# KiCad board hvd-68-vhdci-panel.kicad_pcb (continued)
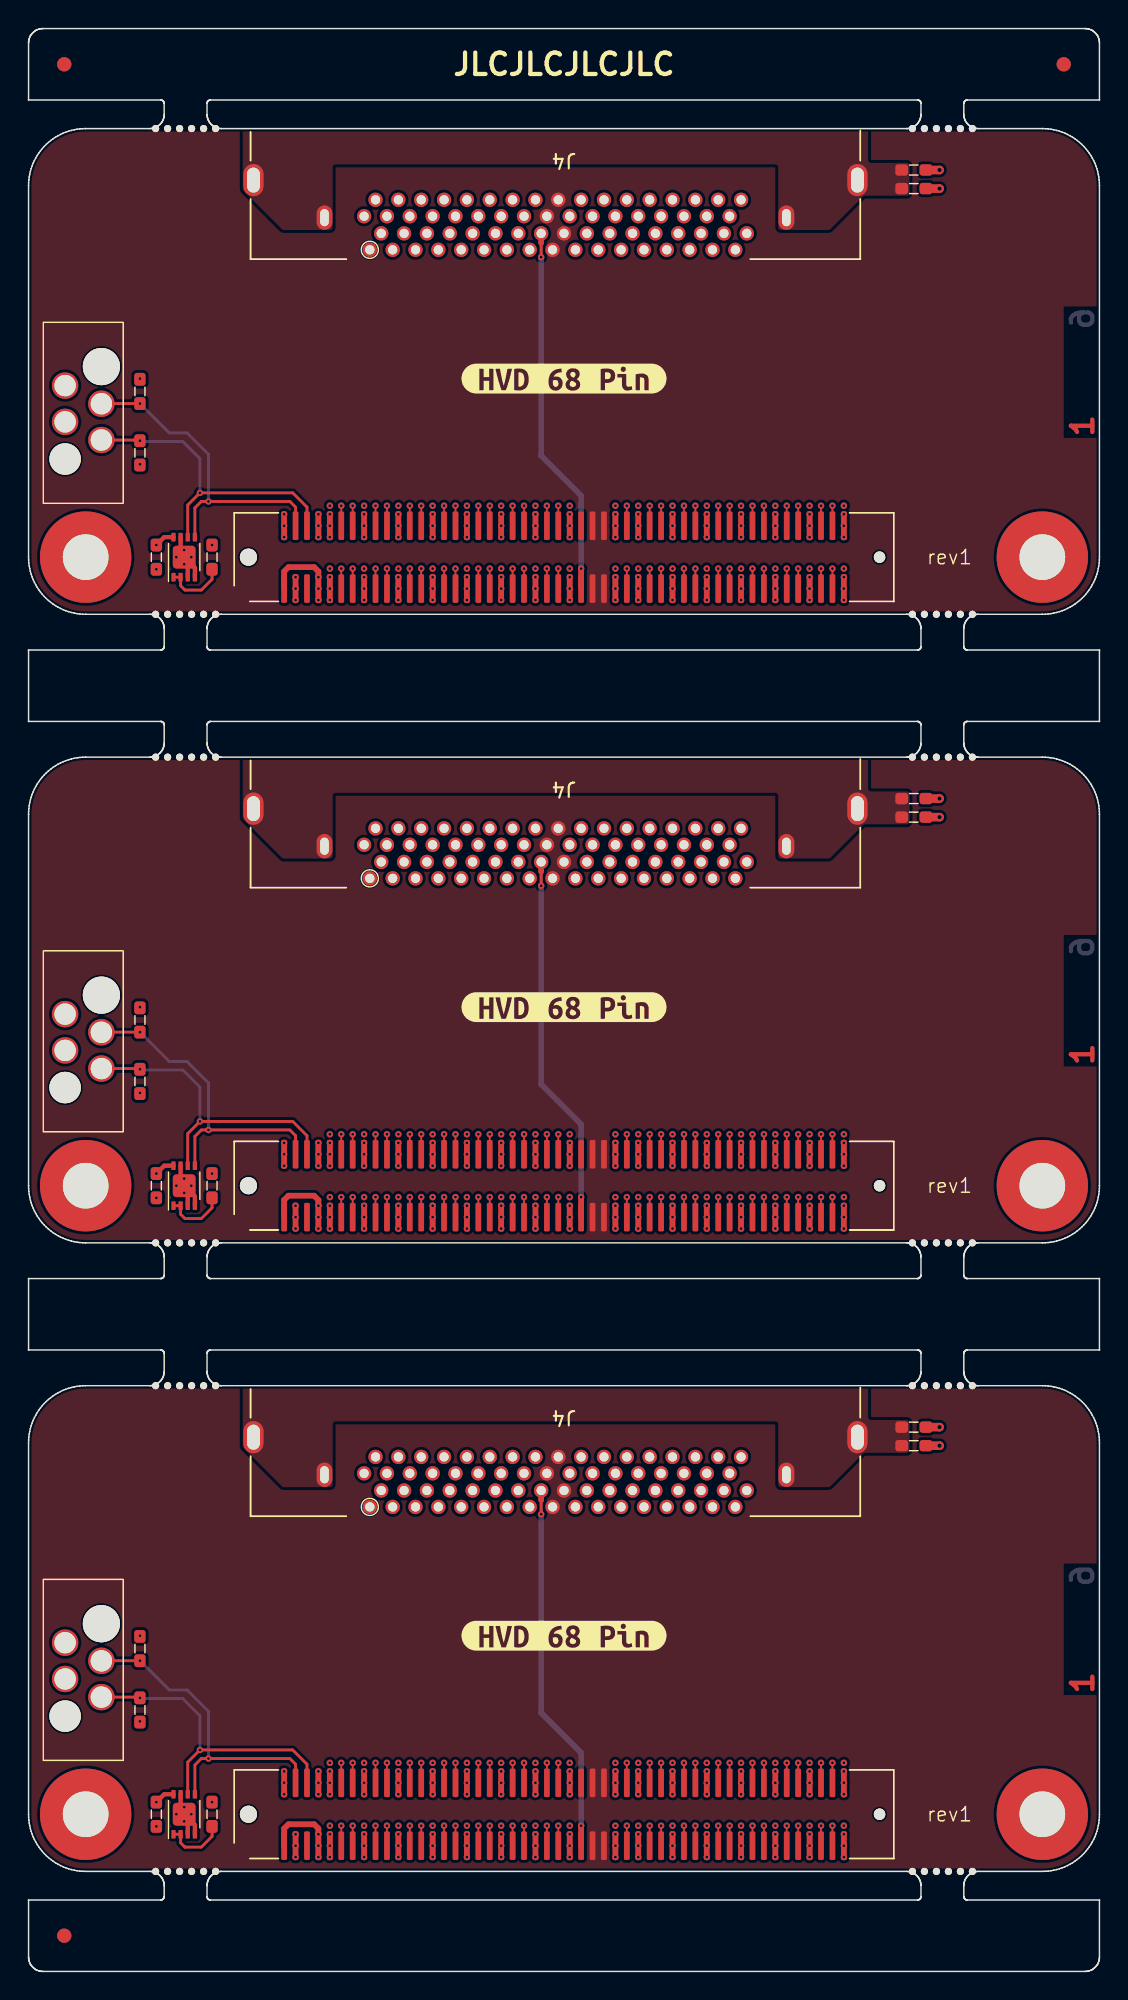
[diagram p0: board, top side]
## Routing (per net, layer and track width the routed paths; a pad name or vN(x,y) marks a point on that pad's centre or on a via; arc(x,y) is an arc through that point) (continued)
Board_1-Net-(U1-E0): length 4.4
  Top w0.2: U1#2.1 U1#2.2 10.65,53 10.95,52.7 12.1,52.7 12.85,53.45 R1.1
Board_2-+3V3: length 1.4
  Top w0.3: v1(8.95,11.85) 9.5,12.4 U1.8
  vias: v1(7.8,23.5) v1(7.8,17.5) v1(12.85,11.85) v1(18.7,9.6) v1(18.7,8.8) v1(18.7,8)
Board_2-/CON.ACK+: length 29.6
  Top w0.128: J1#3.67 v1(44.3,10.2)
  In3.Cu w0.128: J4.23 40.9,31.92 40.9,30.28 arc(40.97,30.11) 41.14,30.04 41.15,30.04 arc(41.32,29.97) 41.39,29.8 41.39,29.68 arc(41.32,29.51) 41.15,29.44 41.14,29.44 arc(40.97,29.37) 40.9,29.2 40.9,29.08 arc(40.97,28.91) 41.14,28.84 41.15,28.84 arc(41.32,28.77) 41.39,28.6 41.39,28.48 arc(41.32,28.31) 41.15,28.24 41.14,28.24 arc(40.97,28.17) 40.9,28 40.9,27.84 arc(40.96,27.69) 41.12,27.62 arc(41.27,27.56) 41.34,27.4 41.34,27.24 arc(41.27,27.09) 41.12,27.02 arc(40.96,26.96) 40.9,26.8 40.9,26.64 arc(40.96,26.49) 41.12,26.42 arc(41.27,26.36) 41.34,26.2 41.34,26.04 arc(41.27,25.89) 41.12,25.82 arc(40.96,25.76) 40.9,25.6 40.9,25.44 arc(40.96,25.29) 41.12,25.22 arc(41.27,25.16) 41.34,25 41.34,24.84 arc(41.27,24.69) 41.12,24.62 arc(40.96,24.56) 40.9,24.4 40.9,24.24 arc(40.96,24.09) 41.12,24.02 arc(41.27,23.96) 41.34,23.8 41.34,23.64 arc(41.27,23.49) 41.12,23.42 arc(40.96,23.36) 40.9,23.2 40.9,23.04 arc(40.96,22.89) 41.12,22.82 arc(41.27,22.76) 41.34,22.6 41.34,22.44 arc(41.27,22.29) 41.12,22.22 arc(40.96,22.16) 40.9,22 40.9,21.88 arc(40.97,21.71) 41.14,21.64 41.15,21.64 arc(41.32,21.57) 41.39,21.4 41.39,21.28 arc(41.32,21.11) 41.15,21.04 41.14,21.04 arc(40.97,20.97) 40.9,20.8 40.9,18 43.9,15 43.9,10.6 v1(44.3,10.2)
Board_2-/CON.ACK-: length 27
  Top w0.128: J1#3.68 v1(44.3,14.6)
  In2.Cu w0.128: J4.57 41.1,34.2 41.3,34 41.3,33.3 40.9,32.9 40.9,30.22 arc(40.96,30.07) 41.11,30.01 arc(41.26,29.95) 41.32,29.8 41.32,29.62 arc(41.26,29.47) 41.11,29.41 arc(40.96,29.35) 40.9,29.2 40.9,29.02 arc(40.96,28.87) 41.11,28.81 arc(41.26,28.75) 41.32,28.6 41.32,28.42 arc(41.26,28.27) 41.11,28.21 arc(40.96,28.15) 40.9,28 40.9,27.82 arc(40.96,27.67) 41.11,27.61 arc(41.26,27.55) 41.32,27.4 41.32,27.22 arc(41.26,27.07) 41.11,27.01 arc(40.96,26.95) 40.9,26.8 40.9,26.57 arc(40.95,26.44) 41.08,26.39 arc(41.21,26.33) 41.27,26.2 41.27,25.97 arc(41.21,25.84) 41.08,25.79 arc(40.95,25.73) 40.9,25.6 40.9,25.37 arc(40.95,25.24) 41.08,25.19 arc(41.21,25.13) 41.27,25 41.27,24.77 arc(41.21,24.64) 41.08,24.59 arc(40.95,24.53) 40.9,24.4 40.9,24.17 arc(40.95,24.04) 41.08,23.98 arc(41.21,23.93) 41.27,23.8 41.27,23.57 arc(41.21,23.44) 41.08,23.38 arc(40.95,23.33) 40.9,23.2 40.9,22.97 arc(40.95,22.84) 41.08,22.78 arc(41.21,22.73) 41.27,22.6 41.27,22.37 arc(41.21,22.24) 41.08,22.18 arc(40.95,22.13) 40.9,22 40.9,21.88 arc(40.97,21.71) 41.14,21.64 arc(41.31,21.57) 41.38,21.4 41.38,21.28 arc(41.31,21.11) 41.14,21.04 arc(40.97,20.97) 40.9,20.8 40.9,18 v1(44.3,14.6)
Board_2-/CON.ATN+: length 29.6
  Top w0.128: J1#3.61 v1(41.9,10.2)
  In3.Cu w0.128: J4.20 39.1,32.3 38.9,32.1 38.9,29.08 arc(38.83,28.91) 38.66,28.84 38.65,28.84 arc(38.48,28.77) 38.41,28.6 38.41,28.48 arc(38.48,28.31) 38.65,28.24 38.66,28.24 arc(38.83,28.17) 38.9,28 38.9,27.88 arc(38.83,27.71) 38.66,27.64 38.65,27.64 arc(38.48,27.57) 38.41,27.4 38.41,27.28 arc(38.48,27.11) 38.65,27.04 38.66,27.04 arc(38.83,26.97) 38.9,26.8 38.9,26.68 arc(38.83,26.51) 38.66,26.44 38.65,26.44 arc(38.48,26.37) 38.41,26.2 38.41,26.08 arc(38.48,25.91) 38.65,25.84 38.66,25.84 arc(38.83,25.77) 38.9,25.6 38.9,25.48 arc(38.83,25.31) 38.66,25.24 38.65,25.24 arc(38.48,25.17) 38.41,25 38.41,24.88 arc(38.48,24.71) 38.65,24.64 38.66,24.64 arc(38.83,24.57) 38.9,24.4 38.9,24.28 arc(38.83,24.11) 38.66,24.04 38.65,24.04 arc(38.48,23.97) 38.41,23.8 38.41,23.68 arc(38.48,23.51) 38.65,23.44 38.66,23.44 arc(38.83,23.37) 38.9,23.2 38.9,23.08 arc(38.83,22.91) 38.66,22.84 38.65,22.84 arc(38.48,22.77) 38.41,22.6 38.41,22.48 arc(38.48,22.31) 38.65,22.24 38.66,22.24 arc(38.83,22.17) 38.9,22 38.9,17.6 41.6,14.9 41.6,10.5 v1(41.9,10.2)
Board_2-/CON.ATN-: length 27
  Top w0.128: J1#3.62 v1(41.9,14.6)
  In2.Cu w0.128: J4.54 38.7,34.2 38.5,34 38.5,33.3 38.9,32.9 38.9,27.87 arc(38.83,27.7) 38.67,27.64 arc(38.5,27.57) 38.43,27.4 38.43,27.27 arc(38.5,27.1) 38.67,27.04 arc(38.83,26.97) 38.9,26.8 38.9,26.67 arc(38.83,26.5) 38.67,26.44 arc(38.5,26.37) 38.43,26.2 38.43,26.07 arc(38.5,25.9) 38.67,25.84 arc(38.83,25.77) 38.9,25.6 38.9,25.47 arc(38.83,25.3) 38.67,25.24 arc(38.5,25.17) 38.43,25 38.43,24.87 arc(38.5,24.7) 38.67,24.64 arc(38.83,24.57) 38.9,24.4 38.9,24.27 arc(38.83,24.1) 38.67,24.04 arc(38.5,23.97) 38.43,23.8 38.43,23.67 arc(38.5,23.5) 38.67,23.44 arc(38.83,23.37) 38.9,23.2 38.9,23.07 arc(38.83,22.9) 38.67,22.84 arc(38.5,22.77) 38.43,22.6 38.43,22.47 arc(38.5,22.3) 38.67,22.24 arc(38.83,22.17) 38.9,22 38.9,17.6 v1(41.9,14.6)
Board_2-/CON.BSY+: length 29.6
  Top w0.128: J1#3.65 v1(43.5,10.2)
  In3.Cu w0.128: J4.22 40.7,32.3 40.5,32.1 40.5,29.08 arc(40.43,28.91) 40.26,28.84 40.25,28.84 arc(40.08,28.77) 40.01,28.6 40.01,28.48 arc(40.08,28.31) 40.25,28.24 40.26,28.24 arc(40.43,28.17) 40.5,28 40.5,27.88 arc(40.43,27.71) 40.26,27.64 40.25,27.64 arc(40.08,27.57) 40.01,27.4 40.01,27.28 arc(40.08,27.11) 40.25,27.04 40.26,27.04 arc(40.43,26.97) 40.5,26.8 40.5,26.68 arc(40.43,26.51) 40.26,26.44 40.25,26.44 arc(40.08,26.37) 40.01,26.2 40.01,26.08 arc(40.08,25.91) 40.25,25.84 40.26,25.84 arc(40.43,25.77) 40.5,25.6 40.5,25.48 arc(40.43,25.31) 40.26,25.24 40.25,25.24 arc(40.08,25.17) 40.01,25 40.01,24.88 arc(40.08,24.71) 40.25,24.64 40.26,24.64 arc(40.43,24.57) 40.5,24.4 40.5,24.28 arc(40.43,24.11) 40.26,24.04 40.25,24.04 arc(40.08,23.97) 40.01,23.8 40.01,23.68 arc(40.08,23.51) 40.25,23.44 40.26,23.44 arc(40.43,23.37) 40.5,23.2 40.5,23.08 arc(40.43,22.91) 40.26,22.84 40.25,22.84 arc(40.08,22.77) 40.01,22.6 40.01,22.48 arc(40.08,22.31) 40.25,22.24 40.26,22.24 arc(40.43,22.17) 40.5,22 40.5,17.6 43.2,14.9 43.2,10.5 v1(43.5,10.2)
Board_2-/CON.BSY-: length 27
  Top w0.128: J1#3.66 v1(43.5,14.6)
  In2.Cu w0.128: v1(43.5,14.6) 40.5,17.6 40.5,22 arc(40.43,22.17) 40.27,22.24 arc(40.1,22.3) 40.03,22.47 40.03,22.6 arc(40.1,22.77) 40.27,22.84 arc(40.43,22.9) 40.5,23.07 40.5,23.2 arc(40.43,23.37) 40.27,23.44 arc(40.1,23.5) 40.03,23.67 40.03,23.8 arc(40.1,23.97) 40.27,24.04 arc(40.43,24.1) 40.5,24.27 40.5,24.4 arc(40.43,24.57) 40.27,24.64 arc(40.1,24.7) 40.03,24.87 40.03,25 arc(40.1,25.17) 40.27,25.24 arc(40.43,25.3) 40.5,25.47 40.5,25.6 arc(40.43,25.77) 40.27,25.84 arc(40.1,25.9) 40.03,26.07 40.03,26.2 arc(40.1,26.37) 40.27,26.44 arc(40.43,26.5) 40.5,26.67 40.5,26.8 arc(40.43,26.97) 40.27,27.04 arc(40.1,27.1) 40.03,27.27 40.03,27.4 arc(40.1,27.57) 40.27,27.64 arc(40.43,27.7) 40.5,27.87 40.5,32.9 40.1,33.3 40.1,34 40.3,34.2 J4.56
Board_2-/CON.C/D+: length 29.6
  Top w0.128: J1#3.79 v1(49.1,10.2)
  In3.Cu w0.128: v1(49.1,10.2) 48.7,10.6 48.7,15 44.1,19.6 44.1,22 arc(44.17,22.16) 44.32,22.22 arc(44.48,22.29) 44.55,22.45 44.55,22.6 arc(44.48,22.76) 44.32,22.82 arc(44.17,22.89) 44.1,23.05 44.1,23.2 arc(44.17,23.36) 44.32,23.42 arc(44.48,23.49) 44.55,23.65 44.55,23.8 arc(44.48,23.96) 44.32,24.02 arc(44.17,24.09) 44.1,24.25 44.1,24.4 arc(44.17,24.56) 44.32,24.62 arc(44.48,24.69) 44.55,24.85 44.55,25 arc(44.48,25.16) 44.32,25.22 arc(44.17,25.29) 44.1,25.45 44.1,25.6 arc(44.17,25.76) 44.32,25.82 arc(44.48,25.89) 44.55,26.05 44.55,26.2 arc(44.48,26.36) 44.32,26.42 arc(44.17,26.49) 44.1,26.65 44.1,26.8 arc(44.17,26.96) 44.32,27.02 arc(44.48,27.09) 44.55,27.25 44.55,27.4 arc(44.48,27.56) 44.32,27.62 arc(44.17,27.69) 44.1,27.85 44.1,28 arc(44.17,28.16) 44.32,28.22 arc(44.48,28.29) 44.55,28.45 44.55,28.6 arc(44.48,28.76) 44.32,28.82 arc(44.17,28.89) 44.1,29.05 44.1,29.2 arc(44.17,29.36) 44.32,29.42 arc(44.48,29.49) 44.55,29.65 44.55,29.8 arc(44.48,29.96) 44.32,30.02 arc(44.17,30.09) 44.1,30.25 44.1,31.92 J4.27
Board_2-/CON.C/D-: length 27
  Top w0.128: J1#3.80 v1(49.1,14.6)
  In2.Cu w0.128: v1(49.1,14.6) 44.1,19.6 44.1,22 arc(44.15,22.12) 44.27,22.17 arc(44.39,22.22) 44.44,22.35 44.44,22.6 arc(44.39,22.72) 44.27,22.77 arc(44.15,22.82) 44.1,22.95 44.1,23.2 arc(44.15,23.32) 44.27,23.37 arc(44.39,23.42) 44.44,23.55 44.44,23.8 arc(44.39,23.92) 44.27,23.97 arc(44.15,24.02) 44.1,24.15 44.1,24.4 arc(44.16,24.54) 44.3,24.6 arc(44.44,24.66) 44.49,24.8 44.49,25 arc(44.44,25.14) 44.3,25.2 arc(44.16,25.26) 44.1,25.4 44.1,25.6 arc(44.16,25.74) 44.3,25.8 arc(44.44,25.86) 44.49,26 44.49,26.2 arc(44.44,26.34) 44.3,26.4 arc(44.16,26.46) 44.1,26.6 44.1,26.8 arc(44.16,26.94) 44.3,27 arc(44.44,27.06) 44.49,27.2 44.49,27.4 arc(44.44,27.54) 44.3,27.6 arc(44.16,27.66) 44.1,27.8 44.1,28 arc(44.16,28.14) 44.3,28.2 arc(44.44,28.26) 44.49,28.4 44.49,28.6 arc(44.44,28.74) 44.3,28.8 arc(44.16,28.86) 44.1,29 44.1,29.2 arc(44.15,29.32) 44.27,29.37 arc(44.39,29.42) 44.44,29.55 44.44,29.8 arc(44.39,29.92) 44.27,29.97 arc(44.15,30.02) 44.1,30.15 44.1,32.9 44.5,33.3 44.5,34 44.3,34.2 J4.61
Board_2-/CON.DB0+: length 29.6
  Top w0.128: J1#3.25 v1(27.5,10.2)
  In3.Cu w0.128: J4.7 28.1,31.92 28.1,29.87 arc(28.17,29.71) 28.34,29.64 arc(28.5,29.57) 28.57,29.4 28.57,29.27 arc(28.5,29.11) 28.34,29.04 arc(28.17,28.97) 28.1,28.8 28.1,28.67 arc(28.17,28.51) 28.34,28.44 arc(28.5,28.37) 28.57,28.2 28.57,28.07 arc(28.5,27.91) 28.34,27.84 arc(28.17,27.77) 28.1,27.6 28.1,27.47 arc(28.17,27.31) 28.34,27.24 arc(28.5,27.17) 28.57,27 28.57,26.87 arc(28.5,26.71) 28.34,26.64 arc(28.17,26.57) 28.1,26.4 28.1,26.27 arc(28.17,26.11) 28.34,26.04 arc(28.5,25.97) 28.57,25.8 28.57,25.67 arc(28.5,25.51) 28.34,25.44 arc(28.17,25.37) 28.1,25.2 28.1,25.07 arc(28.17,24.91) 28.34,24.84 arc(28.5,24.77) 28.57,24.6 28.57,24.47 arc(28.5,24.31) 28.34,24.24 arc(28.17,24.17) 28.1,24 28.1,23.87 arc(28.17,23.71) 28.34,23.64 arc(28.5,23.57) 28.57,23.4 28.57,23.27 arc(28.5,23.11) 28.34,23.04 arc(28.17,22.97) 28.1,22.8 28.1,22.67 arc(28.17,22.51) 28.34,22.44 arc(28.5,22.37) 28.57,22.2 28.57,22.07 arc(28.5,21.91) 28.34,21.84 arc(28.17,21.77) 28.1,21.6 28.1,21.47 arc(28.17,21.31) 28.34,21.24 arc(28.5,21.17) 28.57,21 28.57,20.87 arc(28.5,20.71) 28.34,20.64 arc(28.17,20.57) 28.1,20.4 28.1,20.27 arc(28.17,20.11) 28.34,20.04 arc(28.5,19.97) 28.57,19.8 28.57,19.67 arc(28.5,19.51) 28.34,19.44 arc(28.17,19.37) 28.1,19.2 28.1,19.07 arc(28.17,18.91) 28.34,18.84 arc(28.5,18.77) 28.57,18.6 28.57,18.47 arc(28.5,18.31) 28.34,18.24 arc(28.17,18.17) 28.1,18 28.1,15.2 27.8,14.9 27.8,10.5 v1(27.5,10.2)
Board_2-/CON.DB0-: length 27
  Top w0.128: J1#3.26 v1(27.5,14.6)
  In2.Cu w0.128: v1(27.5,14.6) 28.1,15.2 28.1,18 arc(28.17,18.17) 28.34,18.24 28.34,18.24 arc(28.51,18.31) 28.58,18.48 28.58,18.6 arc(28.51,18.77) 28.34,18.84 28.34,18.84 arc(28.17,18.91) 28.1,19.08 28.1,19.2 arc(28.17,19.37) 28.34,19.44 28.34,19.44 arc(28.51,19.51) 28.58,19.68 28.58,19.8 arc(28.51,19.97) 28.34,20.04 28.34,20.04 arc(28.17,20.11) 28.1,20.28 28.1,20.4 arc(28.17,20.57) 28.34,20.64 28.34,20.64 arc(28.51,20.71) 28.58,20.88 28.58,21 arc(28.51,21.17) 28.34,21.24 28.34,21.24 arc(28.17,21.31) 28.1,21.48 28.1,21.6 arc(28.17,21.77) 28.34,21.84 28.34,21.84 arc(28.51,21.91) 28.58,22.08 28.58,22.2 arc(28.51,22.37) 28.34,22.44 28.34,22.44 arc(28.17,22.51) 28.1,22.68 28.1,22.8 arc(28.17,22.97) 28.34,23.04 28.34,23.04 arc(28.51,23.11) 28.58,23.28 28.58,23.4 arc(28.51,23.57) 28.34,23.64 28.34,23.64 arc(28.17,23.71) 28.1,23.88 28.1,24 arc(28.17,24.17) 28.34,24.24 28.34,24.24 arc(28.51,24.31) 28.58,24.48 28.58,24.6 arc(28.51,24.77) 28.34,24.84 28.34,24.84 arc(28.17,24.91) 28.1,25.08 28.1,25.2 arc(28.16,25.35) 28.31,25.41 arc(28.46,25.47) 28.52,25.62 28.52,25.8 arc(28.46,25.95) 28.31,26.01 arc(28.16,26.07) 28.1,26.22 28.1,26.4 arc(28.16,26.55) 28.31,26.61 arc(28.46,26.67) 28.52,26.82 28.52,27 arc(28.46,27.15) 28.31,27.21 arc(28.16,27.27) 28.1,27.42 28.1,27.6 arc(28.17,27.77) 28.34,27.84 28.34,27.84 arc(28.51,27.91) 28.58,28.08 28.58,28.2 arc(28.51,28.37) 28.34,28.44 28.34,28.44 arc(28.17,28.51) 28.1,28.68 28.1,32.9 28.5,33.3 28.5,34 28.3,34.2 J4.41
Board_2-/CON.DB1+: length 29.6
  Top w0.128: J1#3.29 v1(29.1,10.2)
  In3.Cu w0.128: v1(29.1,10.2) 28.8,10.5 28.8,14.75 29.3,15.25 29.3,18 arc(29.24,18.15) 29.09,18.21 arc(28.94,18.27) 28.88,18.42 28.88,18.6 arc(28.94,18.75) 29.09,18.81 arc(29.24,18.87) 29.3,19.02 29.3,19.2 arc(29.24,19.35) 29.09,19.41 arc(28.94,19.47) 28.88,19.62 28.88,19.8 arc(28.94,19.95) 29.09,20.01 arc(29.24,20.07) 29.3,20.22 29.3,20.4 arc(29.24,20.55) 29.09,20.61 arc(28.94,20.67) 28.88,20.82 28.88,21 arc(28.94,21.15) 29.09,21.21 arc(29.24,21.27) 29.3,21.42 29.3,21.6 arc(29.24,21.75) 29.09,21.81 arc(28.94,21.87) 28.88,22.02 28.88,22.2 arc(28.94,22.35) 29.09,22.41 arc(29.24,22.47) 29.3,22.62 29.3,22.8 arc(29.24,22.95) 29.09,23.01 arc(28.94,23.07) 28.88,23.22 28.88,23.4 arc(28.94,23.55) 29.09,23.61 arc(29.24,23.67) 29.3,23.82 29.3,24 arc(29.24,24.15) 29.09,24.21 arc(28.94,24.27) 28.88,24.42 28.88,24.6 arc(28.94,24.75) 29.09,24.81 arc(29.24,24.87) 29.3,25.02 29.3,25.2 arc(29.24,25.35) 29.09,25.41 arc(28.94,25.47) 28.88,25.62 28.88,25.8 arc(28.94,25.95) 29.09,26.01 arc(29.24,26.07) 29.3,26.22 29.3,26.4 arc(29.24,26.55) 29.09,26.61 arc(28.94,26.67) 28.88,26.82 28.88,27 arc(28.94,27.15) 29.09,27.21 arc(29.24,27.27) 29.3,27.42 29.3,27.6 arc(29.24,27.75) 29.09,27.81 arc(28.94,27.87) 28.88,28.02 28.88,28.2 arc(28.94,28.35) 29.09,28.41 arc(29.24,28.47) 29.3,28.62 29.3,32.1 29.5,32.3 J4.8
Board_2-/CON.DB1-: length 27
  Top w0.128: J1#3.30 v1(29.1,14.6)
  In2.Cu w0.128: J4.42 29.1,34.2 28.9,34 28.9,33.3 29.3,32.9 29.3,27.47 arc(29.23,27.3) 29.07,27.24 arc(28.9,27.17) 28.83,27 28.83,26.87 arc(28.9,26.7) 29.07,26.64 arc(29.23,26.57) 29.3,26.4 29.3,26.27 arc(29.23,26.1) 29.07,26.04 arc(28.9,25.97) 28.83,25.8 28.83,25.67 arc(28.9,25.5) 29.07,25.44 arc(29.23,25.37) 29.3,25.2 29.3,25 arc(29.24,24.86) 29.1,24.8 arc(28.96,24.74) 28.9,24.6 28.9,24.4 arc(28.96,24.26) 29.1,24.2 arc(29.24,24.14) 29.3,24 29.3,23.8 arc(29.24,23.66) 29.1,23.6 arc(28.96,23.54) 28.9,23.4 28.9,23.2 arc(28.96,23.06) 29.1,23 arc(29.24,22.94) 29.3,22.8 29.3,22.6 arc(29.24,22.46) 29.1,22.4 arc(28.96,22.34) 28.9,22.2 28.9,22 arc(28.96,21.86) 29.1,21.8 arc(29.24,21.74) 29.3,21.6 29.3,21.4 arc(29.24,21.26) 29.1,21.2 arc(28.96,21.14) 28.9,21 28.9,20.8 arc(28.96,20.66) 29.1,20.6 arc(29.24,20.54) 29.3,20.4 29.3,20.2 arc(29.24,20.06) 29.1,20 arc(28.96,19.94) 28.9,19.8 28.9,19.6 arc(28.96,19.46) 29.1,19.4 arc(29.24,19.34) 29.3,19.2 29.3,19 arc(29.24,18.86) 29.1,18.8 arc(28.96,18.74) 28.9,18.6 28.9,18.4 arc(28.96,18.26) 29.1,18.2 arc(29.24,18.14) 29.3,18 29.3,14.8 v1(29.1,14.6)
Board_2-/CON.DB2+: length 29.6
  Top w0.128: J1#3.31 v1(29.9,10.2)
  In3.Cu w0.128: J4.9 29.7,31.92 29.7,29.88 arc(29.77,29.71) 29.94,29.64 29.94,29.64 arc(30.11,29.57) 30.18,29.4 30.18,29.28 arc(30.11,29.11) 29.94,29.04 29.94,29.04 arc(29.77,28.97) 29.7,28.8 29.7,28.68 arc(29.77,28.51) 29.94,28.44 29.94,28.44 arc(30.11,28.37) 30.18,28.2 30.18,28.08 arc(30.11,27.91) 29.94,27.84 29.94,27.84 arc(29.77,27.77) 29.7,27.6 29.7,27.48 arc(29.77,27.31) 29.94,27.24 29.94,27.24 arc(30.11,27.17) 30.18,27 30.18,26.88 arc(30.11,26.71) 29.94,26.64 29.94,26.64 arc(29.77,26.57) 29.7,26.4 29.7,26.28 arc(29.77,26.11) 29.94,26.04 29.94,26.04 arc(30.11,25.97) 30.18,25.8 30.18,25.68 arc(30.11,25.51) 29.94,25.44 29.94,25.44 arc(29.77,25.37) 29.7,25.2 29.7,25.08 arc(29.77,24.91) 29.94,24.84 29.94,24.84 arc(30.11,24.77) 30.18,24.6 30.18,24.48 arc(30.11,24.31) 29.94,24.24 29.94,24.24 arc(29.77,24.17) 29.7,24 29.7,23.88 arc(29.77,23.71) 29.94,23.64 29.94,23.64 arc(30.11,23.57) 30.18,23.4 30.18,23.28 arc(30.11,23.11) 29.94,23.04 29.94,23.04 arc(29.77,22.97) 29.7,22.8 29.7,22.68 arc(29.77,22.51) 29.94,22.44 29.94,22.44 arc(30.11,22.37) 30.18,22.2 30.18,22.08 arc(30.11,21.91) 29.94,21.84 29.94,21.84 arc(29.77,21.77) 29.7,21.6 29.7,21.42 arc(29.76,21.27) 29.91,21.21 arc(30.06,21.15) 30.12,21 30.12,20.82 arc(30.06,20.67) 29.91,20.61 arc(29.76,20.55) 29.7,20.4 29.7,20.22 arc(29.76,20.07) 29.91,20.01 arc(30.06,19.95) 30.12,19.8 30.12,19.62 arc(30.06,19.47) 29.91,19.41 arc(29.76,19.35) 29.7,19.2 29.7,19.02 arc(29.76,18.87) 29.91,18.81 arc(30.06,18.75) 30.12,18.6 30.12,18.42 arc(30.06,18.27) 29.91,18.21 arc(29.76,18.15) 29.7,18 29.7,15.25 30.2,14.75 30.2,10.5 v1(29.9,10.2)
Board_2-/CON.DB2-: length 27
  Top w0.128: J1#3.32 v1(29.9,14.6)
  In2.Cu w0.128: v1(29.9,14.6) 29.7,14.8 29.7,18 arc(29.76,18.15) 29.91,18.21 arc(30.05,18.27) 30.12,18.42 30.12,18.6 arc(30.05,18.75) 29.91,18.81 arc(29.76,18.87) 29.7,19.02 29.7,19.2 arc(29.76,19.35) 29.91,19.41 arc(30.05,19.47) 30.12,19.62 30.12,19.8 arc(30.05,19.95) 29.91,20.01 arc(29.76,20.07) 29.7,20.22 29.7,20.4 arc(29.76,20.55) 29.91,20.61 arc(30.05,20.67) 30.12,20.82 30.12,21 arc(30.05,21.15) 29.91,21.21 arc(29.76,21.27) 29.7,21.42 29.7,21.6 arc(29.76,21.75) 29.91,21.81 arc(30.05,21.87) 30.12,22.02 30.12,22.2 arc(30.05,22.35) 29.91,22.41 arc(29.76,22.47) 29.7,22.62 29.7,22.8 arc(29.76,22.95) 29.91,23.01 arc(30.05,23.07) 30.12,23.22 30.12,23.4 arc(30.05,23.55) 29.91,23.61 arc(29.76,23.67) 29.7,23.82 29.7,24 arc(29.76,24.15) 29.91,24.21 arc(30.05,24.27) 30.12,24.42 30.12,24.6 arc(30.05,24.75) 29.91,24.81 arc(29.76,24.87) 29.7,25.02 29.7,25.2 arc(29.76,25.35) 29.91,25.41 arc(30.05,25.47) 30.12,25.62 30.12,25.8 arc(30.05,25.95) 29.91,26.01 arc(29.76,26.07) 29.7,26.22 29.7,26.4 arc(29.77,26.57) 29.94,26.64 arc(30.11,26.71) 30.18,26.88 30.18,27 arc(30.11,27.17) 29.94,27.24 arc(29.77,27.31) 29.7,27.48 29.7,27.6 arc(29.77,27.77) 29.94,27.84 arc(30.11,27.91) 30.18,28.08 30.18,28.2 arc(30.11,28.37) 29.94,28.44 arc(29.77,28.51) 29.7,28.68 29.7,28.8 arc(29.77,28.97) 29.94,29.04 arc(30.11,29.11) 30.18,29.28 30.18,29.4 arc(30.11,29.57) 29.94,29.64 arc(29.77,29.71) 29.7,29.88 29.7,32.9 30.1,33.3 30.1,34 29.9,34.2 J4.43
Board_2-/CON.DB3+: length 29.6
  Top w0.128: J1#3.35 v1(31.5,10.2)
  In3.Cu w0.128: J4.10 31.1,32.3 30.9,32.1 30.9,28.61 arc(30.84,28.46) 30.7,28.41 arc(30.55,28.35) 30.49,28.2 30.49,28.01 arc(30.55,27.86) 30.7,27.81 arc(30.84,27.75) 30.9,27.6 30.9,27.41 arc(30.84,27.26) 30.7,27.21 arc(30.55,27.15) 30.49,27 30.49,26.81 arc(30.55,26.66) 30.7,26.61 arc(30.84,26.55) 30.9,26.4 30.9,26.21 arc(30.84,26.06) 30.7,26.01 arc(30.55,25.95) 30.49,25.8 30.49,25.61 arc(30.55,25.46) 30.7,25.41 arc(30.84,25.35) 30.9,25.2 30.9,25.01 arc(30.84,24.86) 30.7,24.81 arc(30.55,24.75) 30.49,24.6 30.49,24.41 arc(30.55,24.26) 30.7,24.21 arc(30.84,24.15) 30.9,24 30.9,23.81 arc(30.84,23.66) 30.7,23.61 arc(30.55,23.55) 30.49,23.4 30.49,23.21 arc(30.55,23.06) 30.7,23.01 arc(30.84,22.95) 30.9,22.8 30.9,22.61 arc(30.84,22.46) 30.7,22.41 arc(30.55,22.35) 30.49,22.2 30.49,22.01 arc(30.55,21.86) 30.7,21.81 arc(30.84,21.75) 30.9,21.6 30.9,21.47 arc(30.83,21.31) 30.66,21.24 arc(30.5,21.17) 30.43,21 30.43,20.87 arc(30.5,20.71) 30.66,20.64 arc(30.83,20.57) 30.9,20.4 30.9,20.27 arc(30.83,20.11) 30.66,20.04 arc(30.5,19.97) 30.43,19.8 30.43,19.67 arc(30.5,19.51) 30.66,19.44 arc(30.83,19.37) 30.9,19.2 30.9,19.07 arc(30.83,18.91) 30.66,18.84 arc(30.5,18.77) 30.43,18.6 30.43,18.47 arc(30.5,18.31) 30.66,18.24 arc(30.83,18.17) 30.9,18 30.9,15.2 31.2,14.9 31.2,10.5 v1(31.5,10.2)
Board_2-/CON.DB3-: length 27
  Top w0.128: J1#3.36 v1(31.5,14.6)
  In2.Cu w0.128: J4.44 30.7,34.2 30.5,34 30.5,33.3 30.9,32.9 30.9,26.26 arc(30.83,26.1) 30.67,26.03 arc(30.51,25.96) 30.44,25.8 30.44,25.66 arc(30.51,25.5) 30.67,25.43 arc(30.83,25.36) 30.9,25.2 30.9,25.06 arc(30.83,24.9) 30.67,24.83 arc(30.51,24.76) 30.44,24.6 30.44,24.46 arc(30.51,24.3) 30.67,24.23 arc(30.83,24.16) 30.9,24 30.9,23.86 arc(30.83,23.7) 30.67,23.63 arc(30.51,23.56) 30.44,23.4 30.44,23.26 arc(30.51,23.1) 30.67,23.03 arc(30.83,22.96) 30.9,22.8 30.9,22.66 arc(30.83,22.5) 30.67,22.43 arc(30.51,22.36) 30.44,22.2 30.44,22.06 arc(30.51,21.9) 30.67,21.83 arc(30.83,21.76) 30.9,21.6 30.9,21.46 arc(30.83,21.3) 30.67,21.23 arc(30.51,21.16) 30.44,21 30.44,20.86 arc(30.51,20.7) 30.67,20.63 arc(30.83,20.56) 30.9,20.4 30.9,20.26 arc(30.83,20.1) 30.67,20.03 arc(30.51,19.96) 30.44,19.8 30.44,19.66 arc(30.51,19.5) 30.67,19.43 arc(30.83,19.36) 30.9,19.2 30.9,19.06 arc(30.83,18.9) 30.67,18.83 arc(30.51,18.76) 30.44,18.6 30.44,18.46 arc(30.51,18.3) 30.67,18.23 arc(30.83,18.16) 30.9,18 30.9,15.2 v1(31.5,14.6)
Board_2-/CON.DB4+: length 29.6
  Top w0.128: J1#3.37 v1(32.3,10.2)
  In3.Cu w0.128: v1(32.3,10.2) 31.9,10.6 31.9,15 31.3,15.6 31.3,18 arc(31.37,18.17) 31.54,18.24 31.56,18.24 arc(31.73,18.31) 31.8,18.48 31.8,18.6 arc(31.73,18.77) 31.56,18.84 31.54,18.84 arc(31.37,18.91) 31.3,19.08 31.3,19.2 arc(31.37,19.37) 31.54,19.44 31.56,19.44 arc(31.73,19.51) 31.8,19.68 31.8,19.8 arc(31.73,19.97) 31.56,20.04 31.54,20.04 arc(31.37,20.11) 31.3,20.28 31.3,20.4 arc(31.37,20.57) 31.54,20.64 31.56,20.64 arc(31.73,20.71) 31.8,20.88 31.8,21 arc(31.73,21.17) 31.56,21.24 31.54,21.24 arc(31.37,21.31) 31.3,21.48 31.3,21.6 arc(31.37,21.77) 31.54,21.84 31.56,21.84 arc(31.73,21.91) 31.8,22.08 31.8,22.2 arc(31.73,22.37) 31.56,22.44 31.54,22.44 arc(31.37,22.51) 31.3,22.68 31.3,22.8 arc(31.37,22.97) 31.54,23.04 31.56,23.04 arc(31.73,23.11) 31.8,23.28 31.8,23.4 arc(31.73,23.57) 31.56,23.64 31.54,23.64 arc(31.37,23.71) 31.3,23.88 31.3,24 arc(31.37,24.17) 31.54,24.24 31.56,24.24 arc(31.73,24.31) 31.8,24.48 31.8,24.6 arc(31.73,24.77) 31.56,24.84 31.54,24.84 arc(31.37,24.91) 31.3,25.08 31.3,25.2 arc(31.37,25.37) 31.54,25.44 31.56,25.44 arc(31.73,25.51) 31.8,25.68 31.8,25.8 arc(31.73,25.97) 31.56,26.04 31.54,26.04 arc(31.37,26.11) 31.3,26.28 31.3,26.4 arc(31.37,26.57) 31.54,26.64 31.56,26.64 arc(31.73,26.71) 31.8,26.88 31.8,27 arc(31.73,27.17) 31.56,27.24 31.54,27.24 arc(31.37,27.31) 31.3,27.48 31.3,27.6 arc(31.37,27.77) 31.54,27.84 31.56,27.84 arc(31.73,27.91) 31.8,28.08 31.8,28.2 arc(31.73,28.37) 31.56,28.44 31.54,28.44 arc(31.37,28.51) 31.3,28.68 31.3,31.92 J4.11
Board_2-/CON.DB4-: length 27
  Top w0.128: J1#3.38 v1(32.3,14.6)
  In2.Cu w0.128: J4.45 31.5,34.2 31.7,34 31.7,33.3 31.3,32.9 31.3,29.77 arc(31.35,29.64) 31.48,29.59 arc(31.61,29.53) 31.67,29.4 31.67,29.17 arc(31.61,29.04) 31.48,28.99 arc(31.35,28.93) 31.3,28.8 31.3,28.62 arc(31.36,28.47) 31.51,28.41 arc(31.66,28.35) 31.72,28.2 31.72,28.02 arc(31.66,27.87) 31.51,27.81 arc(31.36,27.75) 31.3,27.6 31.3,27.42 arc(31.36,27.27) 31.51,27.21 arc(31.66,27.15) 31.72,27 31.72,26.82 arc(31.66,26.67) 31.51,26.61 arc(31.36,26.55) 31.3,26.4 31.3,26.17 arc(31.35,26.04) 31.48,25.99 arc(31.61,25.93) 31.67,25.8 31.67,25.57 arc(31.61,25.44) 31.48,25.39 arc(31.35,25.33) 31.3,25.2 31.3,25.02 arc(31.36,24.87) 31.51,24.81 arc(31.66,24.75) 31.72,24.6 31.72,24.42 arc(31.66,24.27) 31.51,24.21 arc(31.36,24.15) 31.3,24 31.3,23.82 arc(31.36,23.67) 31.51,23.61 arc(31.66,23.55) 31.72,23.4 31.72,23.22 arc(31.66,23.07) 31.51,23.01 arc(31.36,22.95) 31.3,22.8 31.3,22.62 arc(31.36,22.47) 31.51,22.41 arc(31.66,22.35) 31.72,22.2 31.72,22.02 arc(31.66,21.87) 31.51,21.81 arc(31.36,21.75) 31.3,21.6 31.3,21.42 arc(31.36,21.27) 31.51,21.21 arc(31.66,21.15) 31.72,21 31.72,20.82 arc(31.66,20.67) 31.51,20.61 arc(31.36,20.55) 31.3,20.4 31.3,20.22 arc(31.36,20.07) 31.51,20.01 arc(31.66,19.95) 31.72,19.8 31.72,19.62 arc(31.66,19.47) 31.51,19.41 arc(31.36,19.35) 31.3,19.2 31.3,19.02 arc(31.36,18.87) 31.51,18.81 arc(31.66,18.75) 31.72,18.6 31.72,18.42 arc(31.66,18.27) 31.51,18.21 arc(31.36,18.15) 31.3,18 31.3,15.6 v1(32.3,14.6)
Board_2-/CON.DB5+: length 29.6
  Top w0.128: J1#3.41 v1(33.9,10.2)
  In3.Cu w0.128: v1(33.9,10.2) 33.6,10.5 33.6,14.9 32.5,16 32.5,18 arc(32.43,18.16) 32.28,18.22 arc(32.12,18.29) 32.05,18.45 32.05,18.6 arc(32.12,18.76) 32.28,18.82 arc(32.43,18.89) 32.5,19.05 32.5,19.2 arc(32.43,19.36) 32.28,19.42 arc(32.12,19.49) 32.05,19.65 32.05,19.8 arc(32.12,19.96) 32.28,20.02 arc(32.43,20.09) 32.5,20.25 32.5,20.4 arc(32.43,20.56) 32.28,20.62 arc(32.12,20.69) 32.05,20.85 32.05,21 arc(32.12,21.16) 32.28,21.22 arc(32.43,21.29) 32.5,21.45 32.5,21.6 arc(32.43,21.76) 32.28,21.82 arc(32.12,21.89) 32.05,22.05 32.05,22.2 arc(32.12,22.36) 32.28,22.42 arc(32.43,22.49) 32.5,22.65 32.5,22.8 arc(32.43,22.96) 32.28,23.02 arc(32.12,23.09) 32.05,23.25 32.05,23.4 arc(32.12,23.56) 32.28,23.62 arc(32.43,23.69) 32.5,23.85 32.5,24 arc(32.43,24.16) 32.28,24.22 arc(32.12,24.29) 32.05,24.45 32.05,24.6 arc(32.12,24.76) 32.28,24.82 arc(32.43,24.89) 32.5,25.05 32.5,25.2 arc(32.43,25.36) 32.28,25.42 arc(32.12,25.49) 32.05,25.65 32.05,25.8 arc(32.12,25.96) 32.28,26.02 arc(32.43,26.09) 32.5,26.25 32.5,26.4 arc(32.43,26.56) 32.28,26.62 arc(32.12,26.69) 32.05,26.85 32.05,27 arc(32.12,27.16) 32.28,27.22 arc(32.43,27.29) 32.5,27.45 32.5,32.1 32.7,32.3 J4.12
Board_2-/CON.DB5-: length 27
  Top w0.128: J1#3.42 v1(33.9,14.6)
  In2.Cu w0.128: v1(33.9,14.6) 32.5,16 32.5,18 arc(32.43,18.17) 32.26,18.24 32.26,18.24 arc(32.09,18.31) 32.02,18.48 32.02,18.6 arc(32.09,18.77) 32.26,18.84 32.26,18.84 arc(32.43,18.91) 32.5,19.08 32.5,19.2 arc(32.43,19.37) 32.26,19.44 32.26,19.44 arc(32.09,19.51) 32.02,19.68 32.02,19.8 arc(32.09,19.97) 32.26,20.04 32.26,20.04 arc(32.43,20.11) 32.5,20.28 32.5,20.4 arc(32.43,20.57) 32.26,20.64 32.26,20.64 arc(32.09,20.71) 32.02,20.88 32.02,21 arc(32.09,21.17) 32.26,21.24 32.26,21.24 arc(32.43,21.31) 32.5,21.48 32.5,21.6 arc(32.43,21.77) 32.26,21.84 32.26,21.84 arc(32.09,21.91) 32.02,22.08 32.02,22.2 arc(32.09,22.37) 32.26,22.44 32.26,22.44 arc(32.43,22.51) 32.5,22.68 32.5,22.8 arc(32.43,22.97) 32.26,23.04 32.26,23.04 arc(32.09,23.11) 32.02,23.28 32.02,23.4 arc(32.09,23.57) 32.26,23.64 32.26,23.64 arc(32.43,23.71) 32.5,23.88 32.5,24 arc(32.43,24.17) 32.26,24.24 32.26,24.24 arc(32.09,24.31) 32.02,24.48 32.02,24.6 arc(32.09,24.77) 32.26,24.84 32.26,24.84 arc(32.43,24.91) 32.5,25.08 32.5,32.9 32.1,33.3 32.1,34 32.3,34.2 J4.46